# Altium PCB Middle Row.PcbDoc (part 1 of 2) (continued)
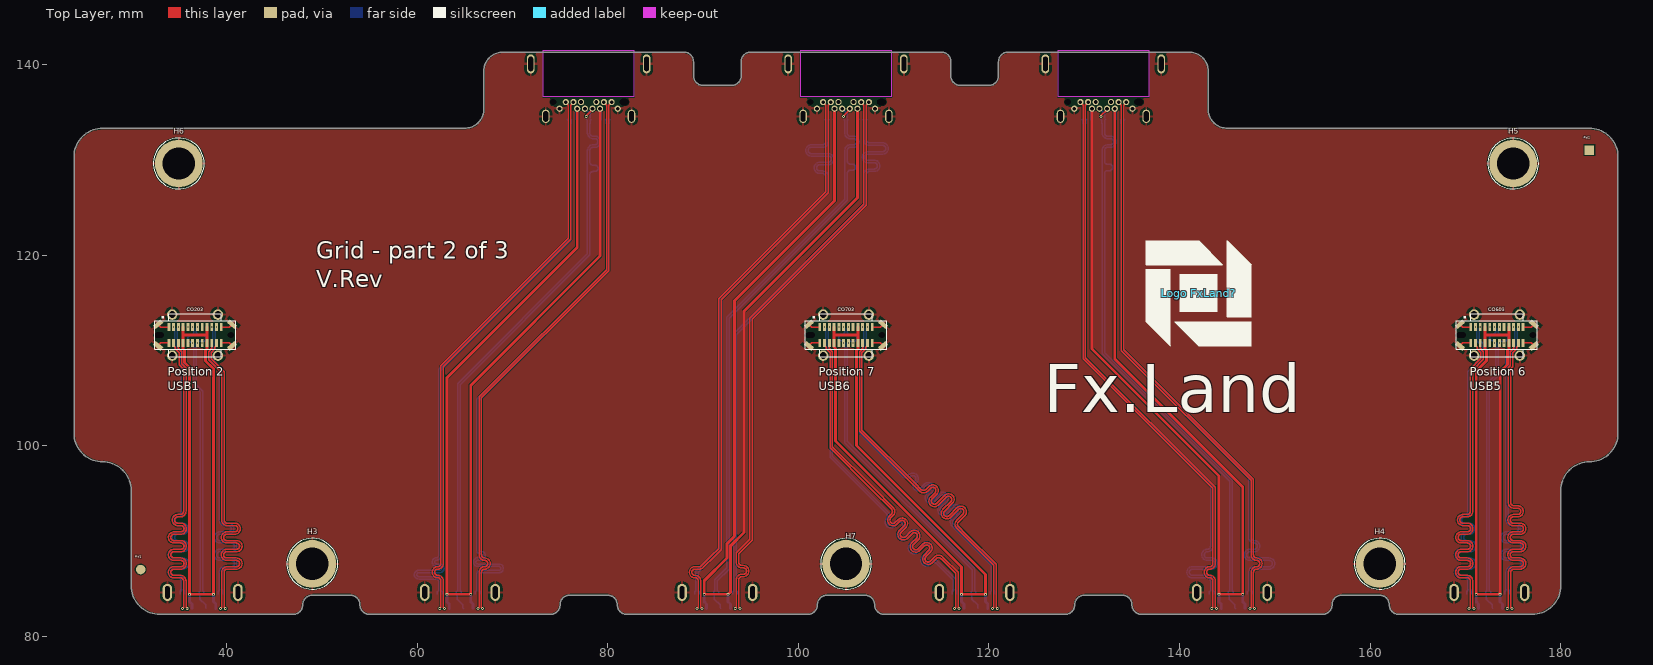
[diagram p0: Top Layer view]
## Design rules (kind name [scope] priority, off if disabled: settings) (continued)
DiffPairsRouting DiffPairsRouting_USB [InDifferentialPairClass('USB')] p2: maxlimit=0.35 minlimit=0.1 mostfreqgap=0.17 toplayer_mingap=0.105 toplayer_maxgap=0.105 toplayer_prefgap=0.105 toplayer_minwidth=0.15 toplayer_maxwidth=0.15 toplayer_prefwidth=0.15 midlayer2_mingap=0.17 midlayer2_maxgap=0.17 midlayer2_minwidth=0.125 midlayer2_maxwidth=0.125 midlayer2_prefwidth=0.125 midlayer3_mingap=0.17 midlayer3_maxgap=0.17 midlayer3_minwidth=0.125 midlayer3_maxwidth=0.125 midlayer3_prefwidth=0.125 bottomlayer_mingap=0.105 bottomlayer_maxgap=0.105 bottomlayer_prefgap=0.105 bottomlayer_minwidth=0.15 bottomlayer_maxwidth=0.15 bottomlayer_prefwidth=0.15 impedanceprofiledriven=TRUE impedanceprofileid={6759D886-137E-4B91-9245-95823A6983B5} impedanceprofilevalue=90.000000 filterlayerstackid={976BEA40-2DA4-42A2-9577-73BD5A797D81} maxuncoupledlength=12.7
Height [All] p1: minheight=0 maxheight=100 prefheight=12.7
HoleSize [All] p1: absolutevalues=TRUE maxlimit=20 minlimit=0.025 maxpercent=80.000 minpercent=20.000
HoleToHoleClearance [All] p1: gap=0.125 allowstackedmicrovias=TRUE
MatchedLengths MatchedLengthsUSB [InDifferentialPairClass('USB3')] p1: tolerance=0.127 checknetsindiffpair=TRUE checkdiffpairvsdiffpair=FALSE checkxsignals=FALSE checkothers=FALSE
MatchedLengths MatchedLengthsUSB0 [InDifferentialPair('USB0') or InDifferentialPair('USB0_RX1') or InDifferentialPair('USB0_RX2') or InDifferentialPair('USB0_TX1') or InDifferentialPair('USB0_TX2')] p2: tolerance=1.27 checknetsindiffpair=FALSE checkdiffpairvsdiffpair=TRUE checkxsignals=TRUE checkothers=TRUE
MatchedLengths MatchedLengthsUSB1 [InDifferentialPair('USB1') or InDifferentialPair('USB1_RX1') or InDifferentialPair('USB1_RX2') or InDifferentialPair('USB1_TX1') or InDifferentialPair('USB1_TX2')] p3: tolerance=1.27 checknetsindiffpair=FALSE checkdiffpairvsdiffpair=TRUE checkxsignals=TRUE checkothers=TRUE
MatchedLengths MatchedLengthsUSB2 [InDifferentialPair('USB2') or InDifferentialPair('USB2_RX1') or InDifferentialPair('USB2_RX2') or InDifferentialPair('USB2_TX1') or InDifferentialPair('USB2_TX2')] p4: tolerance=1.27 checknetsindiffpair=FALSE checkdiffpairvsdiffpair=TRUE checkxsignals=TRUE checkothers=TRUE
MatchedLengths MatchedLengthsUSB3 [InDifferentialPair('USB3') or InDifferentialPair('USB3_RX1') or InDifferentialPair('USB3_RX2') or InDifferentialPair('USB3_TX1') or InDifferentialPair('USB3_TX2')] p5: tolerance=1.27 checknetsindiffpair=FALSE checkdiffpairvsdiffpair=TRUE checkxsignals=TRUE checkothers=TRUE
MatchedLengths MatchedLengthsUSB4 [InDifferentialPair('USB4') or InDifferentialPair('USB4_RX1') or InDifferentialPair('USB4_RX2') or InDifferentialPair('USB4_TX1') or InDifferentialPair('USB4_TX2')] p6: tolerance=1.27 checknetsindiffpair=FALSE checkdiffpairvsdiffpair=TRUE checkxsignals=TRUE checkothers=TRUE
MatchedLengths MatchedLengthsUSB5 [InDifferentialPair('USB5') or InDifferentialPair('USB5_RX1') or InDifferentialPair('USB5_RX2') or InDifferentialPair('USB5_TX1') or InDifferentialPair('USB5_TX2')] p7: tolerance=1.27 checknetsindiffpair=FALSE checkdiffpairvsdiffpair=TRUE checkxsignals=TRUE checkothers=TRUE
MatchedLengths MatchedLengthsUSB6 [InDifferentialPair('USB6') or InDifferentialPair('USB6_RX1') or InDifferentialPair('USB6_RX2') or InDifferentialPair('USB6_TX1') or InDifferentialPair('USB6_TX2')] p8: tolerance=1.27 checknetsindiffpair=FALSE checkdiffpairvsdiffpair=TRUE checkxsignals=TRUE checkothers=TRUE
MatchedLengths MatchedLengthsUSB7 [InDifferentialPair('USB7') or InDifferentialPair('USB7_RX1') or InDifferentialPair('USB7_RX2') or InDifferentialPair('USB7_TX1') or InDifferentialPair('USB7_TX2')] p9: tolerance=1.27 checknetsindiffpair=FALSE checkdiffpairvsdiffpair=TRUE checkxsignals=TRUE checkothers=TRUE
MinimumAnnularRing MinimumAnnularRingVia [IsVia] p1: minimumring=0.1
MinimumAnnularRing [All] p2: minimumring=0.05
MinimumSolderMaskSliver [All] p1: minsoldermaskwidth=0
PolygonConnect PolygonConnect_HighPWR [InNet('VPWR')  or   InNet('VIN') or InNet('PWR')] p1: connectstyle=Relief reliefconductorwidth=1.25 reliefentries=4 polygonreliefangle="90 Angle" airgapwidth=0.254
PolygonConnect PolygonConnect_MidPWR [InNet('+12V') or InNet('+5V')] p2: connectstyle=Relief reliefconductorwidth=0.7 reliefentries=4 polygonreliefangle="90 Angle" airgapwidth=0.254
PolygonConnect PolygonConnect_LowPWR [InNet('NetC104_1')] p3: connectstyle=Relief reliefconductorwidth=0.5 reliefentries=4 polygonreliefangle="90 Angle" airgapwidth=0.254
PolygonConnect [All] p4: connectstyle=Relief reliefconductorwidth=0.254 reliefentries=4 polygonreliefangle="90 Angle" airgapwidth=0.254
RoutingVias RoutingVias_DiffPair [InDifferentialPairClass('All Differential Pairs')] p1: holewidth=0.1 width=0.3 viastyle="Through Hole" minholewidth=0.1 minwidth=0.3 maxholewidth=0.5 maxwidth=0.6
RoutingVias [All] p2: holewidth=0.1 width=0.3 viastyle="Through Hole" minholewidth=0.1 minwidth=0.3 maxholewidth=6.3 maxwidth=6.9
SilkToSilkClearance [All] p1: silktosilkclearance=0
SilkToSolderMaskClearance [IsPad] p1: minsilkscreentomaskgap=0 clearancetoexposedcopper=TRUE
SolderMaskExpansion [All] p1: expansion=0.102 istentingtop=FALSE
UnRoutedNet [All] p1: checkbadconnections=TRUE
Width Width_12V [InNet('+12V')] p1: maxlimit=2 minlimit=0.75 preferedwidth=1
Width Width_VIN [InNet('VIN')] p2: maxlimit=2 minlimit=0.75 preferedwidth=1
Width Width_VPWR [InNet('VPWR')] p3: maxlimit=2 minlimit=0.5 preferedwidth=0.7
Width [All] p4: maxlimit=20 minlimit=0.1 preferedwidth=0.254
21 further rules are at their usual default settings.

## Classes and differential pairs
differential pair class USB3: USB1 USB1_RX1 USB1_RX2 USB1_TX1 USB1_TX2 USB2 USB2_RX1 USB2_RX2 USB2_TX1 USB2_TX2 USB3 USB3_RX1 USB3_RX2 USB3_TX1 USB3_TX2 USB4 USB4_RX1 USB4_RX2 USB4_TX1 USB4_TX2 USB5 USB5_RX1 USB5_RX2 USB5_TX1 USB5_TX2 USB6 USB6_RX1 USB6_RX2 USB6_TX1 USB6_TX2
component class "Grid Position 7/8": CO703 CO704
component class "Grid Position 6/8": CO603 CO604
component class "Grid Position 5/8": CO504 CO505
component class "Grid Position 4/8": CO404 CO405
component class "Grid Position 3/8": CO304 CO305
component class "Grid Position 2/8": CO203 CO204
component class 001_OverViewGridMod2V3: Fid1 Fid2 Fid3 Fid4 H3 H4 H5 H6 H7 "Logo FxLand?"
differential pair USB6: +USB6_P -USB6_N
differential pair USB6_TX2: +USB6_TX2_P -USB6_TX2_N
differential pair USB6_TX1: +USB6_TX1_P -USB6_TX1_N
differential pair USB6_RX2: +USB6_RX2_P -USB6_RX2_N
differential pair USB6_RX1: +USB6_RX1_P -USB6_RX1_N
differential pair USB5: +USB5_P -USB5_N
differential pair USB5_TX2: +USB5_TX2_P -USB5_TX2_N
differential pair USB5_TX1: +USB5_TX1_P -USB5_TX1_N
differential pair USB5_RX2: +USB5_RX2_P -USB5_RX2_N
differential pair USB5_RX1: +USB5_RX1_P -USB5_RX1_N
differential pair USB4: +USB4_P -USB4_N
differential pair USB4_TX2: +USB4_TX2_P -USB4_TX2_N
differential pair USB4_TX1: +USB4_TX1_P -USB4_TX1_N
differential pair USB4_RX2: +USB4_RX2_P -USB4_RX2_N
differential pair USB4_RX1: +USB4_RX1_P -USB4_RX1_N
differential pair USB3: +USB3_P -USB3_N
differential pair USB3_TX2: +USB3_TX2_P -USB3_TX2_N
differential pair USB3_TX1: +USB3_TX1_P -USB3_TX1_N
differential pair USB3_RX2: +USB3_RX2_P -USB3_RX2_N
differential pair USB3_RX1: +USB3_RX1_P -USB3_RX1_N
differential pair USB2: +USB2_P -USB2_N
differential pair USB2_TX2: +USB2_TX2_P -USB2_TX2_N
differential pair USB2_TX1: +USB2_TX1_P -USB2_TX1_N
differential pair USB2_RX2: +USB2_RX2_P -USB2_RX2_N
differential pair USB2_RX1: +USB2_RX1_P -USB2_RX1_N
differential pair USB1: +USB1_P -USB1_N
differential pair USB1_TX2: +USB1_TX2_P -USB1_TX2_N
differential pair USB1_TX1: +USB1_TX1_P -USB1_TX1_N
differential pair USB1_RX2: +USB1_RX2_P -USB1_RX2_N
differential pair USB1_RX1: +USB1_RX1_P -USB1_RX1_N

## Components (designator, comment, footprint, x,y, rotation, side; value= is the part's Value field where it differs from the comment)
CO203 "USB4070" USB4070-30-C 36.7,111.6 r0 top locked
CO204 "USB4155" USB4155-03-C 37.5,82.3 r180 bottom locked
CO304 "USB4155" USB4155-03-C 64.5,82.3 r180 bottom locked
CO305 "USB4050" USB4050-30-A 78,141.3 r0 bottom locked
CO404 "USB4155" USB4155-03-C 91.5,82.3 r180 bottom locked
CO405 "USB4050" USB4050-30-A 105,141.3 r0 bottom locked
CO504 "USB4155" USB4155-03-C 145.5,82.3 r180 bottom locked
CO505 "USB4050" USB4050-30-A 132,141.3 r0 bottom locked
CO603 "USB4070" USB4070-30-C 173.3,111.6 r0 top locked
CO604 "USB4155" USB4155-03-C 172.5,82.3 r180 bottom locked
CO703 "USB4070" USB4070-30-C 105,111.6 r0 top locked
CO704 "USB4155" USB4155-03-C 118.5,82.3 r180 bottom locked
Fid1 "Fiducial" FidR_1.0mm 31,87 r0 top
Fid2 "Fiducial" FidS_1.0mm 183,131 r0 top
Fid3 "Fiducial" FidR_1.0mm 183,131 r180 bottom
Fid4 "Fiducial" FidS_1.0mm 31,90 r180 bottom
H3 "Hole M3" HOLE_M3 49,87.6 r0 top locked
H4 "Hole M3" HOLE_M3 161,87.6 r0 top locked
H5 "Hole M3" HOLE_M3 175,129.6 r0 top locked
H6 "Hole M3" HOLE_M3 35,129.6 r0 top locked
H7 "Hole M3" HOLE_M3 105,87.6 r0 top locked
"Logo FxLand?" "FxLand" Logo_FxLand_3 142,116 r0 top

## Footprints (in the part's own frame and the unit in brackets; to place one, negate y for a bottom-side part, rotate by r counter-clockwise, add the part's x,y. Pads: shape width x height; smd on the part's side, far side on the other; paste and mask are expansions set on the pad)
FidR_1.0mm [mm]
  round 1 smd: 1(0,0)
FidS_1.0mm [mm]
  rect 1x1 smd: 1(0,0)
HOLE_M3 [mm]
  round 5 hole 3.4: 1(0,0)
  silkscreen extent -2.66,-2.66 2.67,2.66
Logo_FxLand_3 [mm]
  silkscreen extent -5.5,-5.5 5.5,5.5
USB4050-30-A [mm]
  rect 0.35x0.9 smd: 1(-2.75,7.06) 2(-2.25,7.06) 3(-1.75,7.06) 4(-1.25,7.06) 5(-0.75,7.06) 6(-0.25,7.06) 7(0.25,7.06) 8(0.75,7.06) 9(1.25,7.06) 10(1.75,7.06) 11(2.25,7.06) 12(2.75,7.06)
  round 0.65 hole 0.4: 21(3.05,5.95) 24(1.2,5.95) 25(0.8,5.25) 26(0.4,5.95) 27(-0.4,5.95) 28(-0.8,5.25) 29(-1.2,5.95) 32(-3.05,5.95)
  round 0.65 / inner round 0.475 / far side round 0.65 hole 0.375: 22(2.4,5.25) 23(1.6,5.25) 30(-1.6,5.25) 31(-2.4,5.25)
  round 0 hole 0.65: HOLE(-3.725,5.25)
  round 0 hole 0.65 slot 0.95 at 0 deg: HOLE(3.725,5.25)
  oval 0.8x2 hole 0.5 slot 1.5 at 90 deg: SH(-6.075,1.25) SH(6.075,1.25)
  oval 0.8x1.4 hole 0.5 slot 1.1 at 90 deg: SH(-4.5,6.75) SH(4.5,6.75)
  Keep-Out Layer board cut-out: -4.75,4.7 -4.75,-0.2 4.75,-0.2 4.75,4.7
  silkscreen extent -7,0 7,8.5, body extent -6.17,-2.49 6.17,7.51, height 2.06
USB4070-30-C [mm]
  rect 0.3x0.85 smd: 1(-2.75,0.83) 2(-2.25,0.83) 3(-1.75,0.83) 4(-1.25,0.83) 5(-0.75,0.83) 6(-0.25,0.83) 7(0.25,0.83) 8(0.75,0.83) 9(1.25,0.83) 10(1.75,0.83) 11(2.25,0.83) 12(2.75,0.83) 21(2.75,-0.83) 22(2.25,-0.83) 23(1.75,-0.83) 24(1.25,-0.83) 25(0.75,-0.83) 26(0.25,-0.83) 27(-0.25,-0.83) 28(-0.75,-0.83) 29(-1.25,-0.83) 30(-1.75,-0.83) 31(-2.25,-0.83) 32(-2.75,-0.83)
  round 0 hole 0.58 slot 1 at 0 deg unplated mask+0: HOLE(-3.75,0)
  round 0 hole 0.66 unplated mask+0: HOLE(3.75,0)
  rect 0.5x1.03 smd rot 50: SH(-3.88,-1.135) SH(3.88,1.135)
  rect 0.5x1.03 smd rot 130: SH(-3.88,1.135) SH(3.88,-1.135)
  round 1.1 hole 0.7: SH(-2.4,-2.15) SH(-2.4,2.15) SH(2.4,-2.15) SH(2.4,2.15)
  silkscreen extent -4.25,-2.25 4.25,2.25, body extent -4.44,-2.27 4.43,2.28, height 10.54
USB4155-03-C [mm]
  rect 0.3x0.8 smd: 1(2.875,2.1) 2(2.375,2.1) 3(1.875,2.1) 4(1.375,2.1) 5(0.875,2.1) 6(0.375,2.1) 7(-0.125,2.1) 8(-0.625,2.1) 9(-1.125,2.1) 10(-1.625,2.1) 11(-2.125,2.1) 12(-2.625,2.1) 21(-2.875,0.6) 22(-2.375,0.6) 23(-1.875,0.6) 24(-1.375,0.6) 25(-0.875,0.6) 26(-0.375,0.6) 27(0.125,0.6) 28(0.625,0.6) 29(1.125,0.6) 30(1.625,0.6) 31(2.125,0.6) 32(2.625,0.6)
  oval 1x1.8 hole 0.5 slot 1.3 at 90 deg: SH(-3.7,2.3) SH(3.7,2.3)
  silkscreen extent -4.5,0 4.5,3.33, body extent -4.4,-12.75 4.4,2.75, height 1.6

## Part data
CO203 CO603 CO703: library part CO0021, "USB C connector Receptacle Vertical", ID=16, ManfactPart=USB4070-30-C, Part Number=CO0021, RefVal=USB4070
CO204 CO304 CO404 CO504 CO604 CO704: library part CO0031, "USB C connector Plug Horizontal", ID=30, ManfactPart=USB4155-03-C, Part Number=CO0031, RefVal=USB4155
CO305 CO405 CO505: library part CO0039, "USB C connector Receptacle Horizontal", ID=39, ManfactPart=USB4050-30-A, Part Number=CO0039, RefVal=USB4050
Fid1 Fid3: library part ME0011, "Fiducial Round 1mm", ID=11, Part Number=ME0011, RefVal=Fiducial
Fid2 Fid4: library part ME0012, "Fiducial Sqaure 1mm", ID=12, Part Number=ME0012, RefVal=Fiducial
H3 H4 H5 H6 H7: library part ME0001, "Mounting Hole M3", ID=1, Part Number=ME0001, RefVal="Hole M3"
"Logo FxLand?": library part ME0008, "Logo FxLand 3", ID=8, Part Number=ME0008, RefVal=FxLand

## Via types
v1: diameter 0.3, hole 0.1, Top Layer to Bottom Layer, 57 vias
v2: diameter 0.3, hole 0.1, Layer 2 to Layer 7, 39 vias
v3: diameter 0.3, hole 0.1, Layer 7 to Bottom Layer, 27 vias
v4: diameter 0.3, hole 0.1, Top Layer to Layer 2, 12 vias

## Nets (pads, with @x,y where several pads share a name; then routed paths per layer and width w, separated by ;. In a path a pad name is that pad's centre, name@x,y a point inside that pad or via, vN(x,y) a via of type N, cw(c..) or ccw(c..) an arc to the next point about the centre after c; other vN are vias at no path point)
GND: CO203.1 CO203.12 CO203.21 CO203.32 CO203.SH CO204.1 CO204.12 CO204.21 CO204.32 CO204.SH CO304.1 CO304.12 CO304.21 CO304.32 CO304.SH CO305.1 CO305.12 CO305.21 CO305.32 CO305.SH CO404.1 CO404.12 CO404.21 CO404.32 CO404.SH CO405.1 CO405.12 CO405.21 CO405.32 CO405.SH CO504.1 CO504.12 CO504.21 CO504.32 CO504.SH CO505.1 CO505.12 CO505.21 CO505.32 CO505.SH CO603.1 CO603.12 CO603.21 CO603.32 CO603.SH CO604.1 CO604.12 CO604.21 CO604.32 CO604.SH CO703.1 CO703.12 CO703.21 CO703.32 CO703.SH CO704.1 CO704.12 CO704.21 CO704.32 CO704.SH H3.1 H4.1 H5.1 H6.1 H7.1 | length 15.1
  Top Layer w0.15: CO203.SH@32.82,110.465 33.125,110.77 CO203.32@33.95,110.77 ; CO203.SH@32.82,112.735 33.125,112.43 CO203.1@33.95,112.43 ; CO203.21@39.45,110.77 40.275,110.77 CO203.SH@40.58,110.465 ; CO203.12@39.45,112.43 40.275,112.43 CO203.SH@40.58,112.735 ; CO703.SH@101.12,110.465 101.425,110.77 CO703.32@102.25,110.77 ; CO703.SH@101.12,112.735 101.425,112.43 CO703.1@102.25,112.43 ; CO703.21@107.75,110.77 108.575,110.77 CO703.SH@108.88,110.465 ; CO703.12@107.75,112.43 108.575,112.43 CO703.SH@108.88,112.735 ; CO603.SH@169.42,110.465 169.725,110.77 CO603.32@170.55,110.77 ; CO603.SH@169.42,112.735 169.725,112.43 CO603.1@170.55,112.43 ; CO603.21@176.05,110.77 176.875,110.77 CO603.SH@177.18,110.465 ; CO603.12@176.05,112.43 176.875,112.43 CO603.SH@177.18,112.735
USB1_5V: CO203.4 CO203.9 CO203.24 CO203.29 CO204.4 CO204.9 CO204.24 CO204.29 | length 65
  Top Layer w0.3: CO203.4@35.45,112.43 35.45,111.6 ; CO203.9@37.95,112.43 37.95,111.6 ; 35.45,111.6 CO203.29@35.45,110.77 35.45,110.146 35.605,109.991 35.605,108.715 36.125,108.195 v1(36.125,84.4) v1(38.625,84.4) 38.625,108.06 37.795,108.89 37.795,109.991 37.95,110.146 CO203.24@37.95,110.77 37.95,111.6 ; 35.45,111.6 37.95,111.6
  Bottom Layer w0.3: v1(36.125,84.4) 36.125,83.625 36.375,83.375 CO204.29@36.375,82.9 ; v1(38.625,84.4) 38.625,83.626 38.875,83.376 CO204.24@38.875,82.9
USB1_CC1: CO203.5 CO204.5 | length 28.3
  Layer 3 w0.125: v4(35.95,112.43) 35.95,85.075 v3(36.625,84.4)
  other v2: 36.625,84.4 35.95,112.43
USB1_CC2: CO203.25 CO204.25 | length 28.3
  Layer 3 w0.125: v4(37.45,110.77) 37.45,85.55 38.2,84.8 38.2,83.075 v3(38.375,82.9)
  other v2: 38.375,82.9 37.45,110.77
USB1_N: CO203.7 CO203.27 CO204.7 CO204.27 | length 35.4
  Layer 6 w0.125: v2(36.45,110.77) 36.45,110.817 36.552,110.92 36.552,111.322 36.825,111.595 37.395,111.595 37.6,111.8 37.6,112.8 37.4,113 37.3,113.1 37,113.1 36.848,112.948 36.848,112.58 36.95,112.477 v1(36.95,112.43) ; v3(37.375,83.15) 37.375,83.9 v3(37.625,84.15)
  Bottom Layer w0.15: v1(36.95,112.43) 36.915,112.43 36.921,112.424 36.921,112.41 36.921,112.361 36.828,112.267 36.828,111.926 ccw(c37.156,111.926) 37.156,111.597 37.52,111.597 cw(c37.52,111.268) 37.849,111.268 cw(c37.52,111.268) 37.52,110.939 37.156,110.939 ccw(c37.156,110.61) 36.828,110.61 36.828,109.877 36.828,106.4 37.503,105.725 37.503,84.773 37.625,84.65 CO204.7@37.625,84.4
  other v2: 37.375,83.15 37.625,84.15
  other v4: 36.45,110.77
USB1_P: CO203.6 CO203.26 CO204.6 CO204.26 | length 36.3
  Layer 6 w0.125: v1(36.45,112.43) 36.45,112.477 36.552,112.58 36.552,113.07 36.878,113.395 37.422,113.395 37.895,112.922 37.895,111.678 37.517,111.3 36.948,111.3 36.848,111.2 36.848,110.92 36.95,110.817 v2(36.95,110.77)
  Bottom Layer w0.15: v1(36.45,112.43) 36.485,112.43 v1@36.479,112.424 ; v1@36.479,112.424 36.479,112.361 36.572,112.267 36.572,111.856 cw(c36.244,111.856) 36.244,111.527 ccw(c36.243,111.198) 35.914,111.198 ccw(c36.243,111.198) 36.243,110.869 cw(c36.244,110.54) 36.572,110.54 36.572,110.076 36.572,106.294 37.248,105.619 37.248,84.773 37.125,84.65 CO204.6@37.125,84.4 37.2,84.325 37.2,83.9 37.8,83.3 37.8,82.975 CO204.26@37.875,82.9
  other v4: 36.95,110.77
USB1_RX1_N: CO203.30 CO204.30 | length 37.4
  Top Layer w0.15: CO203.30@34.95,110.77 34.928,110.748 34.928,110.208 35.28,109.856 35.28,108.581 35.753,108.108 35.753,94.202 35.753,93.106 cw(c35.169,93.106) 35.169,92.522 34.887,92.522 ccw(c34.887,92.193) 34.887,91.864 35.216,91.864 cw(c35.216,91.28) 35.216,90.696 34.487,90.696 ccw(c34.487,90.368) 34.487,90.039 35.216,90.039 cw(c35.216,89.455) 35.216,88.871 34.487,88.871 ccw(c34.487,88.542) 34.487,88.213 35.216,88.213 cw(c35.216,87.629) 35.216,87.045 34.487,87.045 ccw(c34.487,86.716) 34.487,86.387 35.169,86.387 cw(c35.169,85.803) 35.753,85.803 35.753,85.6 35.753,83.063 35.875,82.94 v1(35.875,82.9)
USB1_RX1_P: CO203.31 CO204.31 | length 37.5
  Top Layer w0.15: CO203.31@34.45,110.77 34.45,110.495 34.625,110.32 34.625,110.15 35.025,109.75 35.025,108.475 35.498,108.003 35.498,94.202 35.498,93.106 cw(c35.169,93.106) 35.169,92.777 34.887,92.777 ccw(c34.887,92.193) 34.887,91.609 35.216,91.609 cw(c35.216,91.28) 35.216,90.951 34.487,90.951 ccw(c34.487,90.368) 34.487,89.784 35.216,89.784 cw(c35.216,89.455) 35.216,89.126 34.487,89.126 ccw(c34.487,88.542) 34.487,87.958 35.216,87.958 cw(c35.216,87.629) 35.216,87.3 34.487,87.3 ccw(c34.487,86.716) 34.487,86.132 35.169,86.132 cw(c35.169,85.803) 35.498,85.803 35.498,85.6 35.498,83.063 35.375,82.94 v1(35.375,82.9)
USB1_RX2_N: CO203.10 CO204.10 | length 37.5
  Bottom Layer w0.15: v1(38.45,112.43) 38.45,112.39 38.572,112.267 38.572,110.308 38.12,109.856 38.12,109.6 38.12,109.044 39.248,107.917 39.248,101.536 39.248,94.9 39.248,93.647 39.248,92.193 ccw(c39.832,92.193) 39.832,91.609 40.177,91.609 cw(c40.177,91.28) 40.177,90.951 39.305,90.951 ccw(c39.305,90.368) 39.305,89.784 40.518,89.784 cw(c40.518,89.455) 40.518,89.126 39.305,89.126 ccw(c39.305,88.542) 39.305,87.958 40.518,87.958 cw(c40.518,87.629) 40.518,87.3 39.832,87.3 ccw(c39.832,86.716) 39.248,86.716 39.248,85.6 39.248,84.773 39.125,84.65 CO204.10@39.125,84.4
USB1_RX2_P: CO203.11 CO204.11 | length 37.5
  Bottom Layer w0.15: v1(38.95,112.43) 38.95,112.39 38.827,112.267 38.827,110.203 38.375,109.75 38.375,109.494 38.375,109.15 39.503,108.022 39.503,101.43 39.503,94.9 39.503,93.647 39.503,92.193 ccw(c39.832,92.193) 39.832,91.864 40.177,91.864 cw(c40.177,91.28) 40.177,90.696 39.305,90.696 ccw(c39.305,90.368) 39.305,90.039 40.518,90.039 cw(c40.518,89.455) 40.518,88.871 39.305,88.871 ccw(c39.305,88.542) 39.305,88.213 40.518,88.213 cw(c40.518,87.629) 40.518,87.045 39.832,87.045 ccw(c39.832,86.716) 39.503,86.716 39.503,85.6 39.503,84.773 39.625,84.65 CO204.11@39.625,84.4
USB1_TX1_N: CO203.3 CO204.3 | length 37.5
  Bottom Layer w0.15: v1(34.95,112.43) 34.95,112.39 34.828,112.267 34.828,110.308 35.503,109.633 35.503,93.818 35.503,93.106 cw(c34.919,93.106) 34.919,92.522 ccw(c34.918,92.193) 34.918,91.864 35.375,91.864 cw(c35.375,91.28) 35.375,90.696 34.884,90.696 ccw(c34.884,90.368) 34.884,90.039 35.431,90.039 cw(c35.431,89.455) 35.431,88.871 34.458,88.871 ccw(c34.458,88.542) 34.458,88.213 35.431,88.213 cw(c35.431,87.629) 35.431,87.045 34.458,87.045 ccw(c34.458,86.716) 34.458,86.387 34.919,86.387 cw(c34.919,85.803) 35.503,85.803 35.503,85.6 35.503,84.773 35.625,84.65 CO204.3@35.625,84.4
USB1_TX1_P: CO203.2 CO204.2 | length 37.5
  Bottom Layer w0.15: v1(34.45,112.43) 34.45,112.39 34.573,112.267 34.573,110.203 35.248,109.528 35.248,93.818 35.248,93.106 cw(c34.919,93.106) 34.919,92.777 ccw(c34.918,92.193) 34.918,91.609 35.375,91.609 cw(c35.375,91.28) 35.375,90.951 34.884,90.951 ccw(c34.884,90.368) 34.884,89.784 35.431,89.784 cw(c35.431,89.455) 35.431,89.126 34.458,89.126 ccw(c34.458,88.542) 34.458,87.958 35.431,87.958 cw(c35.431,87.629) 35.431,87.3 34.458,87.3 ccw(c34.458,86.716) 34.458,86.132 34.919,86.132 cw(c34.919,85.803) 35.248,85.803 35.248,85.6 35.248,84.773 35.125,84.65 CO204.2@35.125,84.4
USB1_TX2_N: CO203.23 CO204.23 | length 37.4
  Top Layer w0.15: CO203.23@38.45,110.77 38.472,110.748 38.472,110.208 38.12,109.856 38.12,109.025 39.498,107.648 39.498,101.701 39.497,95.5 39.497,94.206 39.497,92.193 ccw(c40.081,92.193) 40.081,91.609 40.865,91.609 cw(c40.865,91.28) 40.865,90.951 40.036,90.951 ccw(c40.036,90.368) 40.036,89.784 41.045,89.784 cw(c41.045,89.455) 41.045,89.126 40.036,89.126 ccw(c40.036,88.542) 40.036,87.958 41.045,87.958 cw(c41.045,87.629) 41.045,87.3 40.081,87.3 ccw(c40.081,86.716) 39.497,86.716 39.497,85.6 39.497,83.063 39.375,82.94 v1(39.375,82.9)
USB1_TX2_P: CO203.22 CO204.22 | length 37.5
  Top Layer w0.15: CO203.22@38.95,110.77 38.95,110.495 38.775,110.32 38.775,110.15 38.375,109.75 38.375,109.131 39.753,107.753 39.753,101.596 39.752,95.5 39.752,94.206 39.752,92.193 ccw(c40.081,92.193) 40.081,91.864 40.865,91.864 cw(c40.865,91.28) 40.865,90.696 40.036,90.696 ccw(c40.036,90.368) 40.036,90.039 41.045,90.039 cw(c41.045,89.455) 41.045,88.871 40.036,88.871 ccw(c40.036,88.542) 40.036,88.213 41.045,88.213 cw(c41.045,87.629) 41.045,87.045 40.081,87.045 ccw(c40.081,86.716) 39.752,86.716 39.752,85.6 39.752,83.063 39.875,82.94 v1(39.875,82.9)
USB2_5V: CO304.4 CO304.9 CO304.24 CO304.29 CO305.4 CO305.9 CO305.24 CO305.29 | length 121.2
  Top Layer w0.3: CO305.29@76.8,135.35 76.8,120.8 63.125,107.125 v1(63.125,84.4) v1(65.625,84.4) 65.625,106.325 79.2,119.9 CO305.24@79.2,135.35
  Bottom Layer w0.3: v1(63.125,84.4) 63.125,83.625 63.375,83.375 CO304.29@63.375,82.9 ; v1(65.625,84.4) 65.625,83.626 65.875,83.376 CO304.24@65.875,82.9 ; CO305.4@76.75,134.24 76.775,134.265 76.775,135.325 CO305.29@76.8,135.35 ; CO305.24@79.2,135.35 79.225,135.325 79.225,134.265 CO305.9@79.25,134.24
USB2_CC1: CO304.5 CO305.5 | length 55.5
  Layer 6 w0.127: v3(63.625,84.4) 63.625,107.625 77.25,121.25 v3(77.25,134.24)
  other v2: 63.625,84.4 77.25,134.24
USB2_CC2: CO304.25 CO305.25 | length 62.4
  Layer 6 w0.1: v3(65.375,82.9) 65.375,84.186 65.3,84.261 65.3,105 78.8,118.5 78.8,132.3 80.57,134.07 80.57,135.549 81.025,136.004 81.025,136.325 80.905,136.445 79.195,136.445 CO305.25@78.8,136.05
  other v2: 65.375,82.9
USB2_N: CO304.7 CO304.27 CO305.7 CO305.27 | length 60.5
  Layer 6 w0.125: v3(64.375,83.15) 64.375,83.9 v3(64.625,84.15)
  Bottom Layer w0.15: CO304.7@64.625,84.4 64.625,84.65 64.503,84.773 64.503,106.402 78.127,120.027 78.127,127.7 78.127,128.433 cw(c78.456,128.433) 78.456,128.762 78.659,128.762 ccw(c78.659,129.091) 78.988,129.091 ccw(c78.659,129.091) 78.659,129.42 78.456,129.42 cw(c78.456,129.749) 78.127,129.749 78.127,130.224 78.127,130.971 cw(c78.456,130.971) 78.456,131.3 78.638,131.3 ccw(c78.638,131.884) 78.638,132.468 78.456,132.468 cw(c78.456,132.797) 78.127,132.797 78.127,133 78.127,133.777 78.15,133.8 78.15,134.14 CO305.7@78.25,134.24 ; CO305.27@77.6,135.35 78.15,134.8 CO305.7@78.15,134.34
  other v2: 64.375,83.15 64.625,84.15
USB2_P: CO304.6 CO304.26 CO305.6 CO305.26 | length 59.9
  Top Layer w0.15: v1(77.75,134.55) 77.75,134.591 78.4,135.241 CO305.26@78.4,135.35
  Bottom Layer w0.15: CO304.26@64.875,82.9 64.8,82.975 64.8,83.3 64.2,83.9 64.2,84.325 CO304.6@64.125,84.4 64.125,84.65 64.248,84.773 64.248,106.508 77.872,120.133 77.872,130.224 77.872,130.971 cw(c78.456,130.971) 78.456,131.555 78.638,131.555 ccw(c78.638,131.884) 78.638,132.213 78.456,132.213 cw(c78.456,132.797) 77.872,132.797 77.872,133 77.872,133.777 77.85,133.8 77.85,134.14 CO305.6@77.75,134.24
USB2_RX1_N: CO304.30 CO305.30 | length 59.9
  Top Layer w0.15: v1(62.875,82.9) 62.875,82.94 62.753,83.063 62.753,85.6 62.753,85.803 ccw(c62.169,85.803) 62.169,86.387 cw(c62.168,86.716) 62.168,87.045 ccw(c62.169,87.629) 62.753,87.629 62.753,89.44 62.753,108.253 76.128,121.628 76.128,135.712 76.4,135.985 CO305.30@76.4,136.05
USB2_RX1_P: CO304.31 CO305.31 | length 59.9
  Top Layer w0.15: v1(62.375,82.9) 62.375,82.94 62.498,83.063 62.498,85.6 62.498,85.803 ccw(c62.169,85.803) 62.169,86.132 cw(c62.168,86.716) 62.168,87.3 ccw(c62.169,87.629) 62.498,87.629 62.498,89.44 62.498,108.358 75.873,121.733 75.873,135.712 75.6,135.985 CO305.31@75.6,136.05
USB2_RX2_N: CO304.10 CO305.10 | length 61.5
  Bottom Layer w0.15: CO304.10@66.125,84.4 66.125,84.65 66.248,84.773 66.248,85.6 66.248,86.462 cw(c66.704,86.462) 66.704,86.919 68.586,86.919 ccw(c68.586,87.121) 68.586,87.323 66.374,87.323 cw(c66.374,87.78) 66.374,88.237 66.705,88.237 ccw(c66.705,88.439) 66.705,88.641 cw(c66.704,89.098) 66.248,89.098 66.248,90.141 66.248,104.848 79.872,118.473 79.872,133.777 79.85,133.8 79.85,134.14 CO305.10@79.75,134.24
USB2_RX2_P: CO304.11 CO305.11 | length 61.5
  Bottom Layer w0.15: CO304.11@66.625,84.4 66.625,84.65 66.503,84.773 66.503,85.6 66.503,86.462 cw(c66.704,86.462) 66.704,86.664 68.586,86.664 ccw(c68.586,87.121) 68.586,87.578 66.374,87.578 cw(c66.374,87.78) 66.374,87.982 66.705,87.982 ccw(c66.705,88.439) 66.705,88.896 cw(c66.704,89.098) 66.503,89.098 66.503,90.141 66.503,104.742 80.127,118.367 80.127,133.777 80.15,133.8 80.15,134.14 CO305.11@80.25,134.24
USB2_TX1_N: CO304.3 CO305.3 | length 61.5
  Bottom Layer w0.15: CO304.3@62.625,84.4 62.625,84.65 62.503,84.773 62.503,85.6 62.503,85.803 ccw(c62.046,85.803) 62.046,86.26 60.164,86.26 cw(c60.164,86.462) 60.164,86.664 62.376,86.664 ccw(c62.376,87.121) 62.376,87.578 62.045,87.578 cw(c62.045,87.78) 62.045,87.982 ccw(c62.046,88.439) 62.503,88.439 62.503,89.103 62.503,107.903 76.128,121.528 76.128,133.777 76.15,133.8 76.15,134.14 CO305.3@76.25,134.24
USB2_TX1_P: CO304.2 CO305.2 | length 61.5
  Bottom Layer w0.15: CO304.2@62.125,84.4 62.125,84.65 62.248,84.773 62.248,85.6 62.248,85.803 ccw(c62.046,85.803) 62.046,86.005 60.164,86.005 cw(c60.164,86.462) 60.164,86.919 62.376,86.919 ccw(c62.376,87.121) 62.376,87.323 62.045,87.323 cw(c62.045,87.78) 62.045,88.237 ccw(c62.046,88.439) 62.248,88.439 62.248,89.103 62.248,108.008 75.873,121.633 75.873,133.777 75.85,133.8 75.85,134.14 CO305.2@75.75,134.24
USB2_TX2_N: CO304.23 CO305.23 | length 59.9
  Top Layer w0.15: v1(66.375,82.9) 66.375,82.94 66.497,83.063 66.497,85.6 66.497,86.716 cw(c67.081,86.716) 67.081,87.3 ccw(c67.082,87.629) 67.082,87.958 cw(c67.081,88.542) 66.497,88.542 66.497,91.5 66.497,105.103 79.872,118.478 79.872,135.712 79.6,135.985 CO305.23@79.6,136.05
USB2_TX2_P: CO304.22 CO305.22 | length 59.9
  Top Layer w0.15: v1(66.875,82.9) 66.875,82.94 66.752,83.063 66.752,85.6 66.752,86.716 cw(c67.081,86.716) 67.081,87.045 ccw(c67.082,87.629) 67.082,88.213 cw(c67.081,88.542) 66.752,88.542 66.752,91.5 66.752,104.997 80.127,118.372 80.127,135.712 80.4,135.985 CO305.22@80.4,136.05
USB3_5V: CO404.4 CO404.9 CO404.24 CO404.29 CO405.4 CO405.9 CO405.24 CO405.29 | length 121.5
  Top Layer w0.3: 93.55,115.45 93.3,115.2 ; CO405.29@103.8,135.35 103.8,125.7 93.3,115.2 ; CO405.24@106.2,135.35 106.2,126 94.3,114.1 94.3,90.9 92.9,89.5 92.9,84.675 v1(92.625,84.4) v1(90.125,84.4) 90.125,85.825 92.5,88.2 92.5,89.7 93.3,90.5 93.3,115.2
  Bottom Layer w0.3: v1(90.125,84.4) 90.125,83.625 90.375,83.375 CO404.29@90.375,82.9 ; v1(92.625,84.4) 92.625,83.626 92.875,83.376 CO404.24@92.875,82.9 ; CO405.4@103.75,134.24 103.775,134.265 103.775,135.325 CO405.29@103.8,135.35 ; CO405.24@106.2,135.35 106.225,135.325 106.225,134.265 CO405.9@106.25,134.24
USB3_CC1: CO404.5 CO405.5 | length 55.5
  Layer 6 w0.127: v3(90.625,84.4) 91.5,85.275 91.5,113.7 104.25,126.45 v3(104.25,134.24)
  other v2: 90.625,84.4 104.25,134.24
USB3_CC2: CO404.25 CO405.25 | length 62.4
  Layer 6 w0.1: v3(92.375,82.9) 92.375,84.2 92.307,84.268 92.307,111.707 105.8,125.2 105.8,132.3 107.57,134.07 107.57,135.549 108.025,136.004 108.025,136.325 107.905,136.445 106.195,136.445 CO405.25@105.8,136.05
  other v2: 92.375,82.9